# Altium PCB Zotino.PCBDOC (part 6 of 8)
Units mil, origin at the board's own origin, x right, y up, seen from the top; angles counter-clockwise.
Board outline 6303.18 x 3940.98 mil, 4 copper layers (TopLayer, Internal Plane 2, Signal Layer 1, BottomLayer), stack 61.54 mil thick; 716 components, 353 nets, 2092 pads, 748 vias.
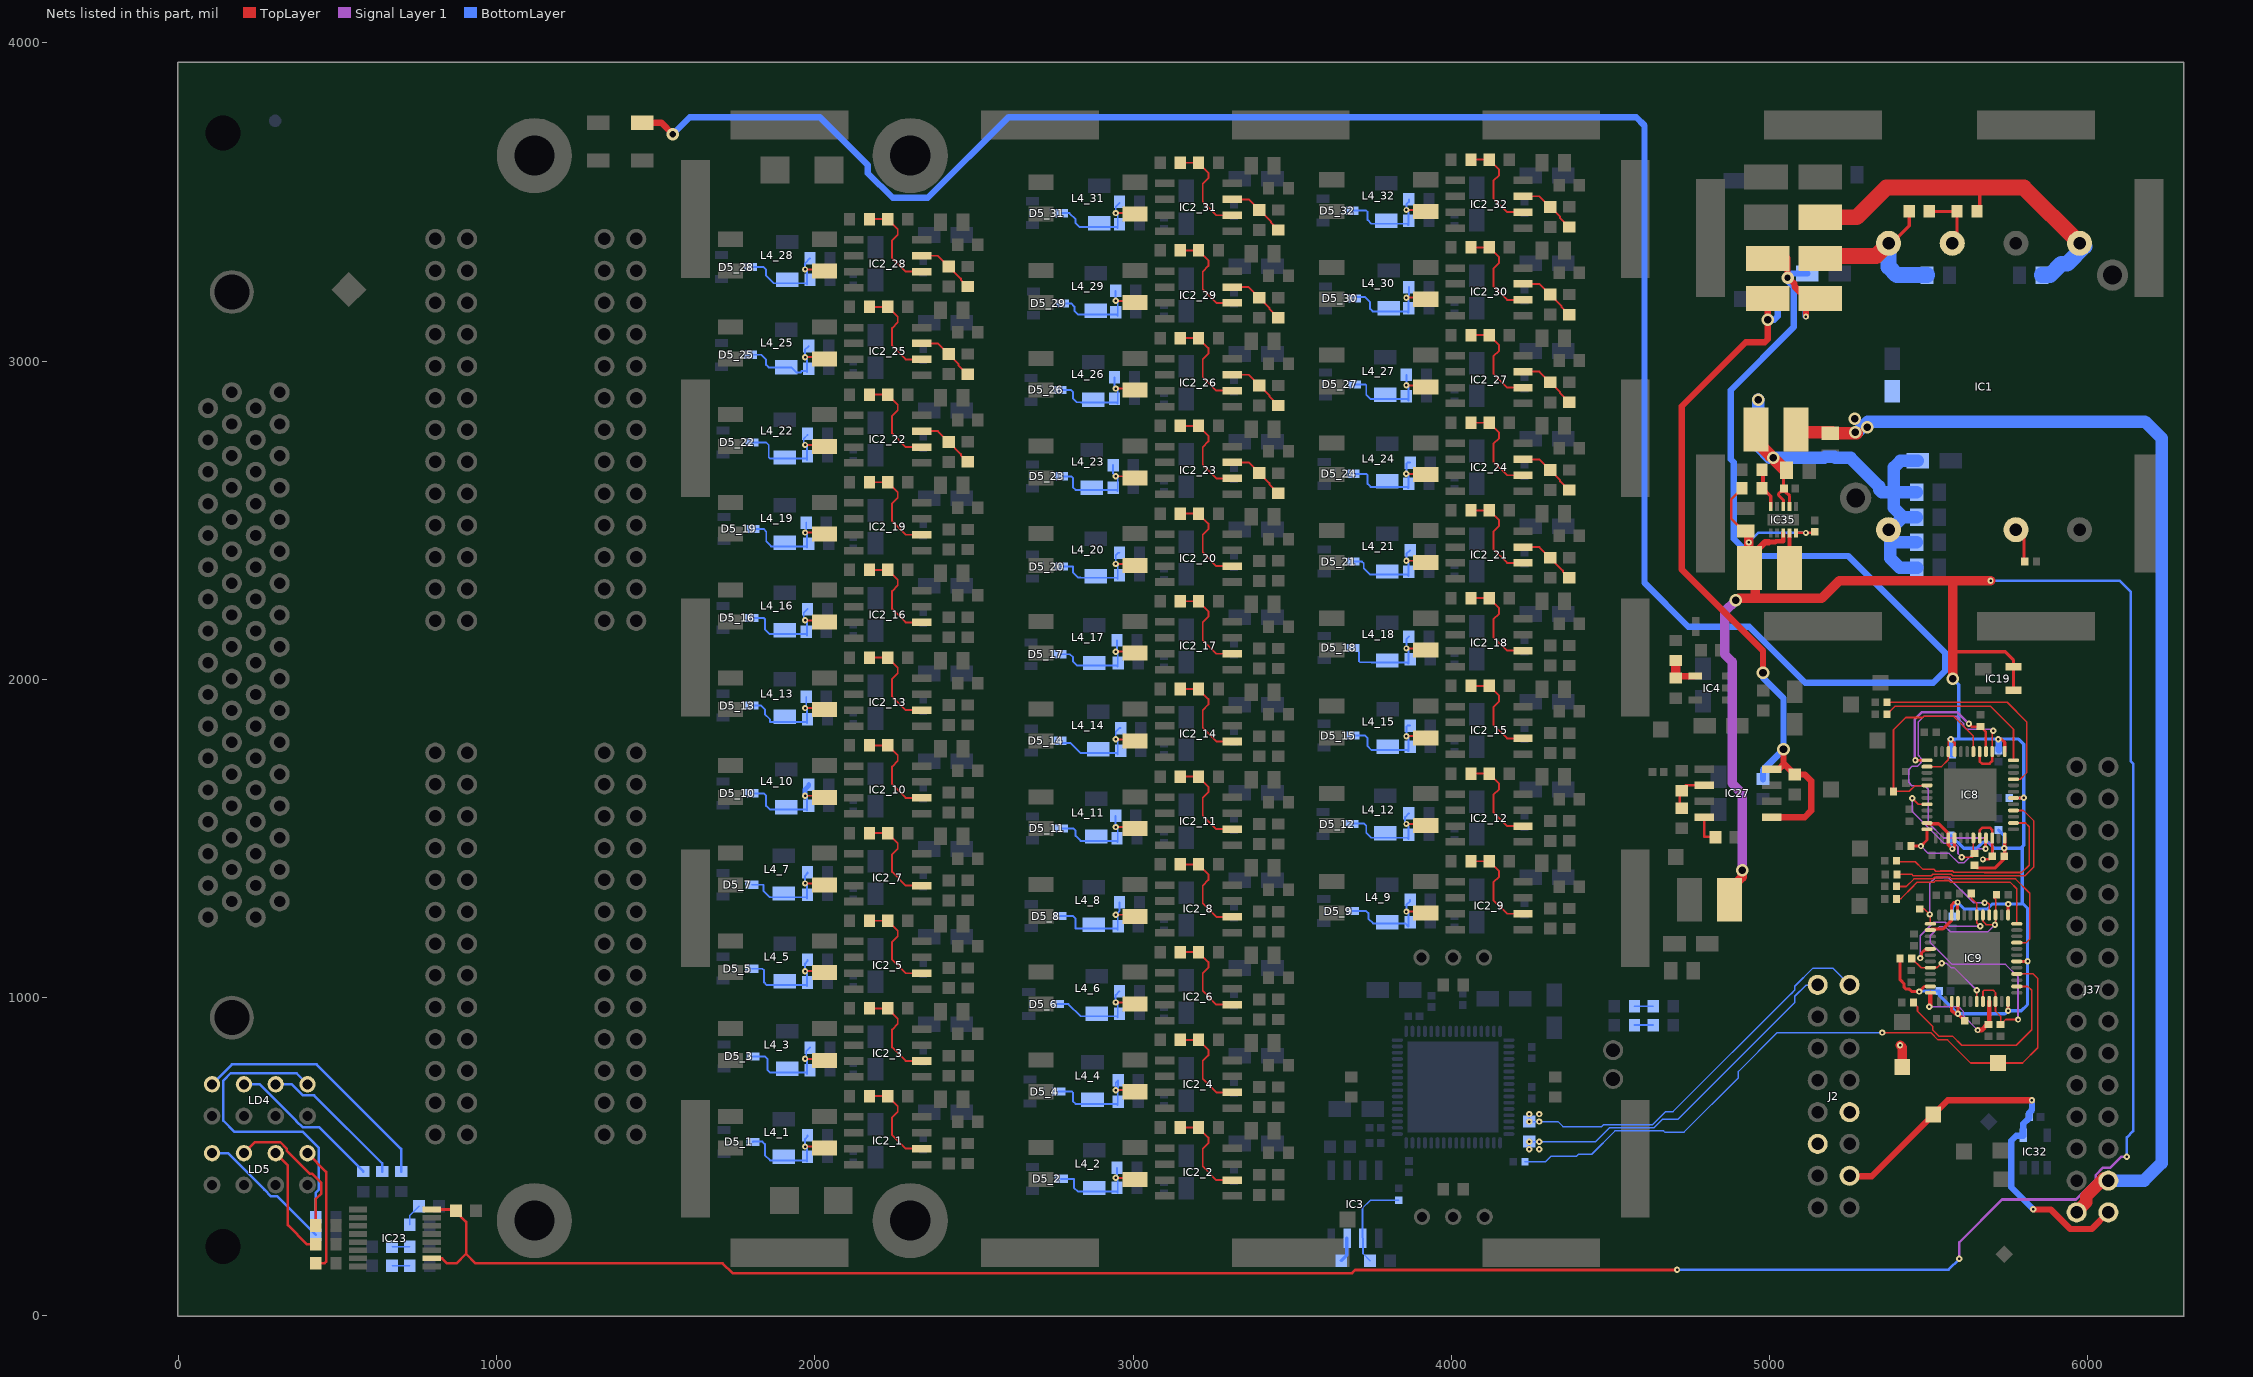
[diagram p8: the nets of this part, all layers, seen from the top]

## Via types
v1: diameter 19.68, hole 7.87, TopLayer to BottomLayer, tented both sides, 647 vias
v2: diameter 23.62, hole 11.81, TopLayer to BottomLayer, tented both sides, 70 vias
v3: diameter 39.37, hole 23.62, TopLayer to BottomLayer, tented both sides, 23 vias
v4: diameter 39.37, hole 19.68, TopLayer to BottomLayer, tented both sides, 8 vias

## Nets (pads, with @x,y where several pads share a name; then routed paths per layer and width w, separated by ;. In a path a pad name is that pad's centre, name@x,y a point inside that pad or via, vN(x,y) a via of type N, cw(c..) or ccw(c..) an arc to the next point about the centre after c; other vN are vias at no path point) (continued)
NetC61_21_2: C61_21.2 IC2_21.3 R25_21.2 | length 186.8
  TopLayer w6: IC2_21.3@4224.67,2415.55 4276.26,2415.55 4350.24,2341.57 4350.24,2338.58 R25_21.2@4369.76,2319.06
NetC61_22_2: C61_22.2 IC2_22.3 R25_22.2 | length 186.8
  TopLayer w6: IC2_22.3@2334.9,2779.72 2386.5,2779.72 C61_22.2@2420,2746.22 2458.5,2707.72 2458.5,2704.72 R25_22.2@2480,2683.23
NetC61_23_2: C61_23.2 IC2_23.3 R25_23.2 | length 186.8
  TopLayer w6: IC2_23.3@3311.28,2681.3 3362.87,2681.3 3427.87,2616.3 3427.87,2613.31 R25_23.2@3456.38,2584.8
NetC61_24_2: C61_24.2 IC2_24.3 R25_24.2 | length 187.5
  TopLayer w6: IC2_24.3@4224.67,2691.14 4276.26,2691.14 4341.26,2626.14 4341.26,2622.05 4342.36,2622.05 R25_24.2@4369.76,2594.65
NetC61_25_2: C61_25.2 IC2_25.3 R25_25.2 | length 187.9
  TopLayer w6: IC2_25.3@2334.9,3055.32 2386.5,3055.32 2451.5,2990.32 2451.5,2985.51 2478.19,2958.82 R25_25.2@2480,2958.82
NetC61_26_2: C61_26.2 IC2_26.3 R25_26.2 | length 186.8
  TopLayer w6: IC2_26.3@3311.28,2956.89 3362.87,2956.89 3427.87,2891.89 3427.87,2888.9 R25_26.2@3456.38,2860.39
NetC61_27_2: C61_27.2 IC2_27.3 R25_27.2 | length 186.8
  TopLayer w6: IC2_27.3@4224.67,2966.73 4276.26,2966.73 4341.26,2901.73 4341.26,2898.74 R25_27.2@4369.76,2870.24
NetC61_28_2: C61_28.2 IC2_28.3 R25_28.2 | length 186.8
  TopLayer w6: IC2_28.3@2334.9,3330.91 2386.5,3330.91 2458.5,3258.9 2458.5,3255.91 R25_28.2@2480,3234.41
NetC61_29_2: C61_29.2 IC2_29.3 R25_29.2 | length 186.8
  TopLayer w6: IC2_29.3@3311.28,3232.48 3362.87,3232.48 3427.87,3167.48 3427.87,3164.49 R25_29.2@3456.38,3135.98
NetC61_30_2: C61_30.2 IC2_30.3 R25_30.2 | length 186.8
  TopLayer w6: IC2_30.3@4224.67,3242.32 4276.26,3242.32 4346.3,3172.28 4346.3,3169.29 R25_30.2@4369.76,3145.83
NetC61_31_2: C61_31.2 IC2_31.3 R25_31.2 | length 186.8
  TopLayer w6: IC2_31.3@3311.28,3508.07 3362.87,3508.07 3433.5,3437.44 3433.5,3434.45 R25_31.2@3456.38,3411.58
NetC61_32_2: C61_32.2 IC2_32.3 R25_32.2 | length 187.5
  TopLayer w6: IC2_32.3@4224.67,3517.91 4276.26,3517.91 4341.26,3452.91 4341.26,3448.82 4342.36,3448.82 R25_32.2@4369.76,3421.42
NetC62_1_2: C62_1.2 D5_1.3 L4_1.1 R5_1.2 R7_1.2 | length 367.2
  TopLayer w6: v1(1968.71,531.8) 2024.35,531.8 L4_1.1@2029.35,526.81
  BottomLayer w6: D5_1.3@1805.12,546.51 1805.67,547.06 1834.83,547.06 1842.52,539.37 1842.52,504.6 1858.68,488.43 1970.97,488.43 1974.9,484.5 1974.9,525.62 v1(1968.71,531.8) 1968.71,555.33 1976.38,562.99 R7_1.2@1976.38,566.93
NetC62_2_2: C62_2.2 D5_2.3 L4_2.1 R5_2.2 R7_2.2 | length 357.5
  TopLayer w6: v1(2945.09,433.38) 3000.73,433.38 L4_2.1@3005.73,428.38
  BottomLayer w6: D5_2.3@2773.62,430.35 2813.75,430.35 2813.75,402.79 2826.46,390.08 2834.99,390.08 2835.06,390.01 2947.34,390.01 2951.28,386.07 2951.28,427.19 v1(2945.09,433.38) 2948.82,437.1 R7_2.2@2948.82,464.57
NetC62_3_2: C62_3.2 D5_3.3 L4_3.1 R5_3.2 R7_3.2 | length 367
  TopLayer w6: v1(1968.71,807.39) 2024.35,807.39 L4_3.1@2029.35,802.4
  BottomLayer w6: D5_3.3@1805.12,814.96 1842.52,814.96 1850.39,807.09 1850.39,772.31 1858.68,764.02 1970.97,764.02 1974.9,760.09 1974.9,801.21 v1(1968.71,807.39) 1972.44,811.12 1972.44,830.71 R5_3.2@1984.25,842.52
NetC62_4_2: C62_4.2 D5_4.3 L4_4.1 R5_4.2 R7_4.2 | length 400.8
  TopLayer w6: v1(2945.09,708.97) 3000.73,708.97 L4_4.1@3005.73,703.97
  BottomLayer w6: D5_4.3@2765.75,704.72 2807.09,704.72 2811.02,700.79 2811.02,673.23 2818.59,665.67 2834.99,665.67 2835.06,665.6 2947.34,665.6 2951.28,661.66 2951.28,702.78 v1(2945.09,708.97) ; v1(2945.09,708.97) 2945.09,732.49 R5_4.2@2952.76,740.16 2952.76,716.63 v1(2945.09,708.97)
NetC62_5_2: C62_5.2 D5_5.3 L4_5.1 R5_5.2 R7_5.2 | length 369.6
  TopLayer w6: v1(1968.71,1082.98) 2024.35,1082.98 L4_5.1@2029.35,1077.99
  BottomLayer w6: D5_5.3@1801.18,1090.55 1834.65,1090.55 1840,1085.2 1840,1047.24 1847.56,1039.68 1866.07,1039.68 1866.14,1039.61 1970.97,1039.61 1974.9,1035.68 1974.9,1076.8 v1(1968.71,1082.98) 1968.71,1106.51 1976.38,1114.17 R5_5.2@1976.38,1118.11
NetC62_6_2: C62_6.2 D5_6.3 L4_6.1 R5_6.2 R7_6.2 | length 359.1
  TopLayer w6: v1(2945.09,984.56) 3000.73,984.56 L4_6.1@3005.73,979.56
  BottomLayer w6: D5_6.3@2762.43,979.56 2796.03,979.56 2834.4,941.19 2947.34,941.19 2951.28,937.25 2951.28,978.37 v1(2945.09,984.56) 2944.88,984.77 2944.88,1007.87 R5_6.2@2956.69,1019.69
NetC62_7_2: C62_7.2 D5_7.3 L4_7.1 R5_7.2 R7_7.2 | length 354
  TopLayer w6: v1(1968.71,1358.58) 2024.35,1358.58 L4_7.1@2029.35,1353.58
  BottomLayer w6: D5_7.3@1801.18,1354.33 1838.58,1354.33 1838.58,1334.65 1857.96,1315.27 1858.62,1315.27 1858.68,1315.21 1970.97,1315.21 1974.9,1311.27 1974.9,1352.39 v1(1968.71,1358.58) 1968.71,1382.1 1976.38,1389.76 R5_7.2@1976.38,1393.7
NetC62_8_2: C62_8.2 D5_8.3 L4_8.1 R5_8.2 R7_8.2 | length 373.9
  TopLayer w6: v1(2945.09,1260.15) 3000.73,1260.15 L4_8.1@3005.73,1255.15
  BottomLayer w6: D5_8.3@2769.88,1255.91 2811.02,1255.91 2818.9,1248.03 2818.9,1216.85 2834.99,1216.85 2835.06,1216.78 2947.34,1216.78 2951.28,1212.84 2951.28,1253.96 v1(2945.09,1260.15) 2956.69,1271.75 R5_8.2@2956.69,1299.21
NetC62_9_2: C62_9.2 D5_9.3 L4_9.1 R5_9.2 R7_9.2 | length 360.3
  TopLayer w6: v1(3858.48,1269.99) 3914.12,1269.99 L4_9.1@3919.12,1264.99
  BottomLayer w6: D5_9.3@3689.17,1271.65 3732.28,1271.65 3738.84,1265.1 3738.84,1248.03 3754.03,1232.84 3854.51,1232.84 3864.67,1222.69 3864.67,1263.8 v1(3858.48,1269.99) 3858.48,1291.55 3870.08,1303.15 R5_9.2@3870.08,1307.15
NetC62_10_2: C62_10.2 D5_10.3 L4_10.1 R5_10.2 R7_10.2 | length 367.4
  TopLayer w6: v1(1968.71,1634.17) 2024.35,1634.17 L4_10.1@2029.35,1629.17
  BottomLayer w6: D5_10.3@1801.18,1641.73 1838.58,1641.73 1846.46,1633.86 1846.46,1602.36 1857.96,1590.86 1858.62,1590.86 1858.68,1590.8 1970.97,1590.8 1974.9,1586.86 1974.9,1627.98 v1(1968.71,1634.17)
  BottomLayer w15: v1(1968.71,1634.17) 1968.71,1653.75 1980.31,1665.35 R5_10.2@1980.31,1669.29
NetC62_11_2: C62_11.2 D5_11.3 L4_11.1 R5_11.2 R7_11.2 | length 352.5
  TopLayer w6: v1(2945.09,1535.74) 3000.73,1535.74 L4_11.1@3005.73,1530.74
  BottomLayer w6: D5_11.3@2773.62,1531.5 2811.02,1531.5 2818.9,1523.62 2818.9,1507.87 2834.33,1492.44 2834.99,1492.44 2835.06,1492.37 2947.34,1492.37 2951.28,1488.43 2951.28,1529.55 v1(2945.09,1535.74) 2944.88,1535.95 R5_11.2@2944.88,1570.87
NetC62_12_2: C62_12.2 D5_12.3 L4_12.1 R5_12.2 R7_12.2 | length 360.4
  TopLayer w6: v1(3858.48,1545.58) 3914.12,1545.58 L4_12.1@3919.12,1540.58
  BottomLayer w6: D5_12.3@3689.17,1547.24 3724.41,1547.24 3732.28,1539.37 3732.28,1518.38 3748.45,1502.21 3860.73,1502.21 3864.67,1498.28 3864.67,1539.39 v1(3858.48,1545.58) 3854.33,1549.73 3854.33,1566.93 R5_12.2@3866.14,1578.74
NetC62_13_2: C62_13.2 D5_13.3 L4_13.1 R5_13.2 R7_13.2 | length 359.3
  TopLayer w6: v1(1968.71,1909.76) 2024.35,1909.76 L4_13.1@2029.35,1904.76
  BottomLayer w6: D5_13.3@1801.18,1917.32 1830.9,1917.32 1842.52,1905.7 1842.52,1889.76 1858.62,1873.67 1858.62,1866.45 1858.68,1866.39 1970.97,1866.39 1974.9,1862.45 1974.9,1903.57 v1(1968.71,1909.76) 1972.44,1913.48 R5_13.2@1972.44,1944.88
NetC62_14_2: C62_14.2 D5_14.3 L4_14.1 R5_14.2 R7_14.2 | length 355.7
  TopLayer w6: v1(2945.09,1811.33) 3000.73,1811.33 L4_14.1@3005.73,1806.33
  BottomLayer w6: D5_14.3@2769.88,1807.09 2777.51,1799.46 2802.91,1799.46 2834.4,1767.96 2947.34,1767.96 2951.28,1764.02 2951.28,1805.14 v1(2945.09,1811.33) 2945.09,1834.86 2956.69,1846.46 R5_14.2@2960.63,1846.46
NetC62_15_2: C62_15.2 D5_15.3 L4_15.1 R5_15.2 R7_15.2 | length 364.5
  TopLayer w6: v1(3858.48,1821.17) 3914.12,1821.17 L4_15.1@3919.12,1816.17
  BottomLayer w6: D5_15.3@3690.21,1822.83 3728.35,1822.83 3736.22,1814.96 3736.22,1790.03 3748.45,1777.8 3860.73,1777.8 3864.67,1773.87 3864.67,1814.98 v1(3858.48,1821.17) 3858.48,1850.6 3862.2,1854.33 R5_15.2@3870.08,1854.33
NetC62_16_2: C62_16.2 D5_16.3 L4_16.1 R5_16.2 R7_16.2 | length 369.2
  TopLayer w6: v1(1968.71,2185.35) 2024.35,2185.35 L4_16.1@2029.35,2180.35
  BottomLayer w6: D5_16.3@1801.18,2192.91 1838.58,2192.91 1842.52,2188.98 1842.52,2157.48 1857.96,2142.04 1862.14,2142.04 1862.2,2141.98 1970.97,2141.98 1974.9,2138.04 1974.9,2179.16 v1(1968.71,2185.35) 1964.57,2189.49 1964.57,2208.66 R5_16.2@1976.38,2220.47
NetC62_17_2: C62_17.2 D5_17.3 L4_17.1 R5_17.2 R7_17.2 | length 355.1
  TopLayer w6: v1(2945.09,2086.92) 3000.73,2086.92 L4_17.1@3005.73,2081.92
  BottomLayer w6: D5_17.3@2769.69,2078.74 2801.18,2078.74 2811.02,2068.9 2811.02,2055.12 2822.52,2043.62 2834.99,2043.62 2835.06,2043.55 2947.34,2043.55 2951.28,2039.62 2951.28,2080.73 v1(2945.09,2086.92) 2948.82,2090.65 R5_17.2@2948.82,2122.05
NetC62_18_2: C62_18.2 D5_18.3 L4_18.1 R5_18.2 R7_18.2 | length 339.3
  TopLayer w6: v1(3858.48,2096.76) 3914.12,2096.76 L4_18.1@3919.12,2091.77
  BottomLayer w6: 3709.16,2084.89 3709.16,2057.09 3712.78,2053.46 3748.38,2053.46 3748.45,2053.39 3860.73,2053.39 3864.67,2049.46 3864.67,2090.58 v1(3858.48,2096.76) 3858.48,2126.19 R7_18.2@3866.14,2133.86
NetC62_19_2: C62_19.2 D5_19.3 L4_19.1 R5_19.2 R7_19.2 | length 357.8
  TopLayer w6: v1(1968.71,2460.94) 2024.35,2460.94 L4_19.1@2029.35,2455.94
  BottomLayer w6: D5_19.3@1805.12,2472.44 1838.58,2472.44 1846.7,2464.32 1846.7,2433.07 1862.2,2417.57 1970.97,2417.57 1974.9,2413.63 1974.9,2454.75 v1(1968.71,2460.94) 1972.44,2464.66 R7_19.2@1972.44,2492.13
NetC62_20_2: C62_20.2 D5_20.3 L4_20.1 R5_20.2 R7_20.2 | length 360.2
  TopLayer w6: v1(2945.09,2362.51) 3000.73,2362.51 L4_20.1@3005.73,2357.51
  BottomLayer w6: D5_20.3@2773.62,2354.33 2811.02,2354.33 2811.02,2334.65 2826.46,2319.21 2834.99,2319.21 2835.06,2319.14 2947.34,2319.14 2951.28,2315.21 2951.28,2356.32 v1(2945.09,2362.51) 2945.09,2389.97 2952.76,2397.64 R5_20.2@2956.69,2397.64
NetC62_21_2: C62_21.2 D5_21.3 L4_21.1 R5_21.2 R7_21.2 | length 352.1
  TopLayer w6: v1(3858.48,2372.35) 3914.12,2372.35 L4_21.1@3919.12,2367.36
  BottomLayer w6: D5_21.3@3690.94,2370.08 3718.5,2370.08 3724.41,2364.17 3724.41,2348.74 3744.09,2329.05 3748.38,2329.05 3748.45,2328.98 3860.73,2328.98 3864.67,2325.05 3864.67,2366.17 v1(3858.48,2372.35) 3858.27,2372.56 3858.27,2393.7 R5_21.2@3870.08,2405.51
NetC62_22_2: C62_22.2 D5_22.3 L4_22.1 R5_22.2 R7_22.2 | length 369.5
  TopLayer w6: v1(1968.71,2736.53) 2024.35,2736.53 L4_22.1@2029.35,2731.53
  BottomLayer w5: D5_22.3@1801.18,2744.09 1846.46,2744.09 1854.33,2736.22 1854.33,2697.51 1858.62,2693.23 ; v1(1968.71,2736.53) 1964.57,2740.68 1964.57,2755.91 R5_22.2@1976.38,2767.72
  BottomLayer w6: 1858.62,2693.23 1858.68,2693.16 1970.97,2693.16 1974.9,2689.22 1974.9,2730.34 v1(1968.71,2736.53)
NetC62_23_2: C62_23.2 D5_23.3 L4_23.1 R5_23.2 R7_23.2 | length 365.5
  TopLayer w6: v1(2945.09,2638.1) 3000.73,2638.1 L4_23.1@3005.73,2633.1
  BottomLayer w6: D5_23.3@2773.62,2637.8 2805.12,2637.8 2811.02,2631.89 2811.02,2602.36 2818.59,2594.8 2834.99,2594.8 2835.06,2594.73 2947.34,2594.73 2951.28,2590.8 2951.28,2631.91 v1(2945.09,2638.1) 2937.01,2646.19 R5_23.2@2937.01,2673.23
NetC62_24_2: C62_24.2 D5_24.3 L4_24.1 R5_24.2 R7_24.2 | length 366.5
  TopLayer w6: v1(3858.26,2645.66) 3911.84,2645.66 3914.12,2647.94 L4_24.1@3919.12,2642.95
  BottomLayer w6: D5_24.3@3690.94,2645.67 3732.28,2645.67 3736.22,2641.73 3736.22,2614.17 3745.82,2604.57 3860.73,2604.57 3864.67,2600.64 3864.67,2641.76 3860.76,2645.66 v1(3858.26,2645.66) 3858.26,2677.16 3862.2,2681.1 R5_24.2@3870.08,2681.1
NetC62_25_2: C62_25.2 D5_25.3 L4_25.1 R5_25.2 R7_25.2 | length 364
  TopLayer w6: v1(1968.71,3012.12) 2024.35,3012.12 L4_25.1@2029.35,3007.12
  BottomLayer w6: D5_25.3@1797.24,3019.68 1830.71,3019.68 1846.46,3003.94 1846.46,2988.19 1854.33,2980.32 C62_25.2@1909.45,2980.32 1925.44,2980.32 1941.19,2964.57 1956.69,2964.57 ; 1956.69,2968.75 1970.97,2968.75 1974.9,2964.81 1974.9,3005.93 v1(1968.71,3012.12) 1968.5,3012.33 1968.5,3035.43 R5_25.2@1980.31,3047.24
NetC62_26_2: C62_26.2 D5_26.3 L4_26.1 R5_26.2 R7_26.2 | length 360.4
  TopLayer w6: v1(2945.09,2913.69) 3000.73,2913.69 L4_26.1@3005.73,2908.69
  BottomLayer w6: D5_26.3@2769.69,2909.45 2803.15,2909.45 2811.02,2901.57 2811.02,2881.89 2822.52,2870.39 2834.99,2870.39 2835.06,2870.32 2947.34,2870.32 2951.28,2866.39 2951.28,2907.5 v1(2945.09,2913.69) 2940.94,2917.84 R5_26.2@2940.94,2948.82
NetC62_27_2: C62_27.2 D5_27.3 L4_27.1 R5_27.2 R7_27.2 | length 353.8
  TopLayer w6: v1(3858.48,2923.54) 3914.12,2923.54 L4_27.1@3919.12,2918.54
  BottomLayer w6: D5_27.3@3694.88,2926.61 3728.91,2926.61 3732.28,2923.23 3732.28,2893.7 3745.75,2880.23 3748.38,2880.23 3748.45,2880.17 3860.73,2880.17 3864.67,2876.23 3864.67,2917.35 v1(3858.48,2923.54) 3858.27,2923.75 R5_27.2@3858.27,2956.69
NetC62_28_2: C62_28.2 D5_28.3 L4_28.1 R5_28.2 R7_28.2 | length 365.9
  TopLayer w6: v1(1968.71,3287.71) 2024.35,3287.71 L4_28.1@2029.35,3282.71
  BottomLayer w6: D5_28.3@1797.24,3295.28 1838.58,3295.28 1846.46,3287.4 1846.46,3267.96 1870.08,3244.34 1970.97,3244.34 1974.9,3240.4 1974.9,3281.52 v1(1968.71,3287.71) 1968.71,3307.3 R5_28.2@1984.25,3322.83
NetC62_29_2: C62_29.2 D5_29.3 L4_29.1 R5_29.2 R7_29.2 | length 341.9
  TopLayer w6: v1(2945.09,3189.28) 3000.73,3189.28 L4_29.1@3005.73,3184.28
  BottomLayer w6: D5_29.3@2777.56,3181.1 2805.12,3181.1 2814.96,3171.26 2814.96,3157.48 2826.46,3145.98 2834.99,3145.98 2835.06,3145.91 2947.34,3145.91 2951.28,3141.98 2951.28,3183.1 v1(2945.09,3189.28) 2944.88,3189.49 R5_29.2@2944.88,3220.47
NetC62_30_2: C62_30.2 D5_30.3 L4_30.1 R5_30.2 R7_30.2 | length 351.5
  TopLayer w6: v1(3858.48,3199.13) 3914.12,3199.13 L4_30.1@3919.12,3194.13
  BottomLayer w6: D5_30.3@3694.88,3200.79 3728.35,3200.79 3744.09,3185.04 3744.09,3163.63 3751.97,3155.76 3860.73,3155.76 3864.67,3151.82 3864.67,3192.94 v1(3858.48,3199.13) 3866.14,3206.79 R5_30.2@3866.14,3232.28
NetC62_31_2: C62_31.2 D5_31.3 L4_31.1 R5_31.2 R7_31.2 | length 352.4
  TopLayer w6: v1(2945.09,3464.87) 3000.73,3464.87 L4_31.1@3005.73,3459.87
  BottomLayer w6: D5_31.3@2773.82,3464.57 2799.21,3464.57 2818.9,3444.88 2818.9,3433.07 2830.4,3421.57 2834.99,3421.57 2835.06,3421.5 2947.34,3421.5 2951.28,3417.57 2951.28,3458.69 v1(2945.09,3464.87) 2945.09,3484.46 R5_31.2@2956.69,3496.06
NetC62_32_2: C62_32.2 D5_32.3 L4_32.1 R5_32.2 R7_32.2 | length 359.8
  TopLayer w6: v1(3858.48,3474.72) 3914.12,3474.72 L4_32.1@3919.12,3469.72
  BottomLayer w6: D5_32.3@3687.01,3472.44 3732.28,3472.44 3736.22,3468.5 3736.22,3443.57 3748.45,3431.35 3860.73,3431.35 3864.67,3427.41 3864.67,3468.53 v1(3858.48,3474.72) 3858.48,3492.34 3866.14,3500 R5_32.2@3866.14,3507.87
NetC63_2: C63.2 C133.2 C134.1 IC27.5 IC27.8 L7.2 | length 2332.4
  TopLayer w20: v3(4978.84,2019.89) 4978.84,2089.89 4723.84,2344.89 4723.84,2857.7 4925.2,3059.06 4984.25,3059.06 4993.84,3068.64 v3@4993.84,3127.7 ; v3(4993.84,3129.89) v3@4993.84,3127.7 ; L7.2@4993.84,3196.9 v3@4993.84,3127.7 ; IC27.5@5006.4,1566.98 5110.28,1566.98 5129.92,1586.61 5129.92,1681.1 5110.24,1700.79 C133.2@5078.74,1700.79 5047.24,1732.28 5043.31,1732.28 ; IC27.8@5006.4,1716.98 5028,1716.98 5043.31,1732.28 ; v3(5043.31,1779.53) 5043.31,1732.28
  BottomLayer w20: C63.2@4978.84,1686.27 4978.84,1715.06 v3(5043.31,1779.53) 5043.31,1940.78 4978.84,2005.24 v3(4978.84,2019.89) ; v3(4993.84,3129.89) 5013.84,3129.89 5025.02,3141.07 C134.1@5025.02,3194.89
NetC64_1: C64.1 IC27.4 | length 96.1
  TopLayer w7.87: IC27.4@4793.8,1566.98 4793.8,1504.69 4824.63,1504.69 C64.1@4826.71,1506.78
NetC68_2: C68.2 R117.1 | length 59.1
  BottomLayer w6: R117.1@4574.8,972.57 C68.2@4633.86,972.57
NetC71_2: C71.2 R118.1 | length 55.1
  BottomLayer w5: C71.2@671.26,216.54 R118.1@726.38,216.54
NetC76_2: C76.2 R82.1 | length 55.1
  BottomLayer w5: C76.2@671.26,157.48 R82.1@726.38,157.48
NetC77_2: C77.2 R58.1 | length 71.3
  BottomLayer w5: R58.1@726.38,285.43 726.38,314.96 C77.2@755.91,344.49
NetC80_2: C80.2 IC3.2 R3.2 | length 299.6
  BottomLayer w5: C80.2@3744.09,173.23 3721.85,195.47 IC3.2@3721.85,244.09 3720.47,245.47 3720.47,338.58 3745.28,363.39 R3.2@3834.65,363.39
NetC82_2: C82.2 IC3.3 | length 78.4
  BottomLayer w10: C82.2@3653.54,173.23 3671.1,190.79 3671.1,243.35 IC3.3@3671.85,244.09
NetC95_2: C95.2 R116.1 | length 59.1
  BottomLayer w6: R116.1@4574.8,913.39 C95.2@4633.86,913.39
NetC130_2: C130.2 IC1.7 L6.1 R1.2 | length 577.2
  TopLayer w10: IC1.7@5373.73,3370 5378.84,3364.89 5438.5,3424.55 R1.2@5438.5,3470
  TopLayer w50: L6.1@5158.84,3322.88 5165.85,3329.89 5333.43,3329.89 IC1.7@5373.54,3370
  BottomLayer w50: IC1.7@5373.54,3370 5373.54,3295.75 5399.29,3270 C130.2@5494.57,3270
NetC131_2: C131.2 C132.1 F1.2 L6.2 L7.1 | length 8065.3
  TopLayer w20: F1.2@1457.19,3748.28 1517.76,3748.28 v4(1553.15,3712.89) ; v4(5055.95,3262) L7.1@5055.95,3322.88 ; v4@5068.95,3251.27 5077.74,3242.48 5077.74,3234.26 5115.1,3196.9 L6.2@5158.84,3196.9 ; v1(5113.84,3139.89) L6.2@5113.84,3179.89
  BottomLayer w20: v4(1553.15,3712.89) 1606.49,3766.23 2015.86,3766.23 2166.1,3615.99 2166.1,3590.53 2244.08,3512.56 2354.35,3512.56 2608.02,3766.23 4580.23,3766.23 4606.3,3740.16 4606.3,2303.15 4744.09,2165.35 4935.88,2165.35 5112.06,1989.17 5513.38,1989.17 5551.18,2026.97 5551.18,2082.6 5246.38,2387.4 4941.2,2387.4 4887.2,2441.39 4887.2,2681.66 4877.16,2691.71 4877.16,2908.65 5075.45,3106.95 5075.45,3232.32 5059.06,3248.72 5059.06,3265.1 5068.84,3274.89 C132.1@5117.66,3274.89 ; C131.2@5113.41,3189.89 5113.41,3140.32 v1(5113.84,3139.89)
NetC136_1: C136.1 C137.2 C138.2 C139.2 C140.2 C150.2 C151.2 IC1.1 IC35.2 IC35.3 L8.1 | length 1615
  TopLayer w10: IC35.3@5042.81,2542.57 5042.81,2563.48 5027.56,2578.74 5027.56,2582.43 5035.02,2589.89 C150.2@5042.81,2589.89 ; C151.2@5042.81,2658.86 C150.2@5042.81,2589.89 ; IC35.2@5062.5,2542.57 5062.5,2576.23 5048.84,2589.89 C150.2@5042.81,2589.89
  TopLayer w39.37: L8.1@4973.84,2749.89 4973.84,2731.62 v3@5002.38,2703.08 ; v3@5018.29,2687.17 C151.2@5046.75,2658.71
  BottomLayer w39.37: v3(4964.57,2877.95) 4964.57,2732.28 5000.9,2695.95 v3(5011.32,2695.95) 5171.07,2695.95 5174.54,2699.42 5203.14,2699.42 5206.61,2695.95 5254.05,2695.95 5343.9,2606.1 5343.9,2596.1 5351.77,2588.23 5390,2588.23 ; 5384.7,2430.75 C140.2@5461.82,2430.75 ; 5423.44,2509.49 C139.2@5461.82,2509.49 ; C138.2@5461.82,2588.23 5390,2588.23 ; C137.2@5463.84,2349.89 5408.84,2349.89 5378.84,2379.89 5378.84,2469.09 5419.24,2509.49 5390,2538.73 5390,2588.23 ; C136.1@5465.76,2686.65 5410.6,2686.65 5390,2666.05 5390,2588.23
NetC141_2: C141.2 IC1.4 L9.1 R4.1 | length 1175.3
  TopLayer w10: R4.1@5651.5,3470 5660,3478.5 5660,3545.05
  TopLayer w50: L9.1@5158.84,3451.9 5272.99,3451.9 5366.14,3545.05 5660,3545.05 5798.68,3545.05 IC1.4@5973.84,3369.89
  BottomLayer w50: C141.2@5855.43,3270 5880.69,3270 5916.51,3305.82 5934.77,3305.82 IC1.4@5988.84,3359.89
NetIC1_2: IC1.2 R2.2 | length 110.3
  TopLayer w10: IC1.2@5773.54,2470 5798.5,2445.04 R2.2@5798.5,2370
NetIC1_6: IC1.6 R1.1 R4.2 | length 193.2
  TopLayer w10: R1.1@5501.5,3470 R4.2@5588.5,3470 5588.5,3384.96 IC1.6@5573.54,3370
NetIC2_1_2: IC2_1.2 R67_1.1 R68_1.2 | length 310.1
  TopLayer w6: R67_1.1@2171.5,690 R68_1.2@2228.5,690 2260,658.5 2260,641.25 2242.16,623.41 2242.16,567.84 2285,525 IC2_1.2@2334.9,525
NetIC2_2_2: IC2_2.2 R67_2.1 R68_2.2 | length 310.1
  TopLayer w6: R67_2.1@3147.87,591.57 R68_2.2@3204.88,591.57 3236.38,560.08 3236.38,542.83 3218.54,524.98 3218.54,469.42 3261.38,426.57 IC2_2.2@3311.28,426.57
NetIC2_3_2: IC2_3.2 R67_3.1 R68_3.2 | length 310.1
  TopLayer w6: R67_3.1@2171.5,965.59 R68_3.2@2228.5,965.59 2260,934.09 2260,916.84 2242.16,899 2242.16,843.43 2285,800.59 IC2_3.2@2334.9,800.59
NetIC2_4_2: IC2_4.2 R67_4.1 R68_4.2 | length 310.1
  TopLayer w6: R67_4.1@3147.87,867.17 R68_4.2@3204.88,867.17 3236.38,835.67 3236.38,818.42 3218.54,800.57 3218.54,745.01 3261.38,702.17 IC2_4.2@3311.28,702.17
NetIC2_5_2: IC2_5.2 R67_5.1 R68_5.2 | length 310.1
  TopLayer w6: R67_5.1@2171.5,1241.18 R68_5.2@2228.5,1241.18 2260,1209.69 2260,1192.43 2242.16,1174.59 2242.16,1119.02 2285,1076.18 IC2_5.2@2334.9,1076.18
NetIC2_6_2: IC2_6.2 R67_6.1 R68_6.2 | length 310.1
  TopLayer w6: R67_6.1@3147.87,1142.76 R68_6.2@3204.88,1142.76 3236.38,1111.26 3236.38,1094.01 3218.54,1076.16 3218.54,1020.6 3261.38,977.76 IC2_6.2@3311.28,977.76
NetIC2_7_2: IC2_7.2 R67_7.1 R68_7.2 | length 310.1
  TopLayer w6: R67_7.1@2171.5,1516.77 R68_7.2@2228.5,1516.77 2260,1485.28 2260,1468.02 2242.16,1450.18 2242.16,1394.61 2285,1351.77 IC2_7.2@2334.9,1351.77
NetIC2_8_2: IC2_8.2 R67_8.1 R68_8.2 | length 310.1
  TopLayer w6: R67_8.1@3147.87,1418.35 R68_8.2@3204.88,1418.35 3236.38,1386.85 3236.38,1369.6 3218.54,1351.76 3218.54,1296.19 3261.38,1253.35 IC2_8.2@3311.28,1253.35
NetIC2_9_2: IC2_9.2 R67_9.1 R68_9.2 | length 310.1
  TopLayer w6: R67_9.1@4061.26,1428.19 R68_9.2@4118.27,1428.19 4149.76,1396.69 4149.76,1379.44 4131.92,1361.6 4131.92,1306.03 4174.76,1263.19 IC2_9.2@4224.67,1263.19
NetIC2_10_2: IC2_10.2 R67_10.1 R68_10.2 | length 310.1
  TopLayer w6: R67_10.1@2171.5,1792.36 R68_10.2@2228.5,1792.36 2260,1760.87 2260,1743.61 2242.16,1725.77 2242.16,1670.2 2285,1627.36 IC2_10.2@2334.9,1627.36
NetIC2_11_2: IC2_11.2 R67_11.1 R68_11.2 | length 310.1
  TopLayer w6: R67_11.1@3147.87,1693.94 R68_11.2@3204.88,1693.94 3236.38,1662.44 3236.38,1645.19 3218.54,1627.35 3218.54,1571.78 3261.38,1528.94 IC2_11.2@3311.28,1528.94
NetIC2_12_2: IC2_12.2 R67_12.1 R68_12.2 | length 310.1
  TopLayer w6: R67_12.1@4061.26,1703.78 R68_12.2@4118.27,1703.78 4149.76,1672.28 4149.76,1655.03 4131.92,1637.19 4131.92,1581.62 4174.76,1538.78 IC2_12.2@4224.67,1538.78
NetIC2_13_2: IC2_13.2 R67_13.1 R68_13.2 | length 310.1
  TopLayer w6: R67_13.1@2171.5,2067.95 R68_13.2@2228.5,2067.95 2260,2036.46 2260,2019.2 2242.16,2001.36 2242.16,1945.8 2285,1902.95 IC2_13.2@2334.9,1902.95
NetIC2_14_2: IC2_14.2 R67_14.1 R68_14.2 | length 310.1
  TopLayer w6: R67_14.1@3147.87,1969.53 R68_14.2@3204.88,1969.53 3236.38,1938.03 3236.38,1920.78 3218.54,1902.94 3218.54,1847.37 3261.38,1804.53 IC2_14.2@3311.28,1804.53
NetIC2_15_2: IC2_15.2 R67_15.1 R68_15.2 | length 310.1
  TopLayer w6: R67_15.1@4061.26,1979.37 R68_15.2@4118.27,1979.37 4149.76,1947.87 4149.76,1930.62 4131.92,1912.78 4131.92,1857.21 4174.76,1814.37 IC2_15.2@4224.67,1814.37
NetIC2_16_2: IC2_16.2 R67_16.1 R68_16.2 | length 310.1
  TopLayer w6: R67_16.1@2171.5,2343.54 R68_16.2@2228.5,2343.54 2260,2312.05 2260,2294.79 2242.16,2276.95 2242.16,2221.39 2285,2178.54 IC2_16.2@2334.9,2178.54
NetIC2_17_2: IC2_17.2 R67_17.1 R68_17.2 | length 310.1
  TopLayer w6: R67_17.1@3147.87,2245.12 R68_17.2@3204.88,2245.12 3236.38,2213.62 3236.38,2196.37 3218.54,2178.53 3218.54,2122.96 3261.38,2080.12 IC2_17.2@3311.28,2080.12
NetIC2_18_2: IC2_18.2 R67_18.1 R68_18.2 | length 310.1
  TopLayer w6: R67_18.1@4061.26,2254.96 R68_18.2@4118.27,2254.96 4149.76,2223.46 4149.76,2206.21 4131.92,2188.37 4131.92,2132.8 4174.76,2089.96 IC2_18.2@4224.67,2089.96
NetIC2_19_2: IC2_19.2 R67_19.1 R68_19.2 | length 310.1
  TopLayer w6: R67_19.1@2171.5,2619.13 R68_19.2@2228.5,2619.13 2260,2587.64 2260,2570.39 2242.16,2552.54 2242.16,2496.98 2285,2454.13 IC2_19.2@2334.9,2454.13
NetIC2_20_2: IC2_20.2 R67_20.1 R68_20.2 | length 310.1
  TopLayer w6: R67_20.1@3147.87,2520.71 R68_20.2@3204.88,2520.71 3236.38,2489.21 3236.38,2471.96 3218.54,2454.12 3218.54,2398.55 3261.38,2355.71 IC2_20.2@3311.28,2355.71
NetIC2_21_2: IC2_21.2 R67_21.1 R68_21.2 | length 310.1
  TopLayer w6: R67_21.1@4061.26,2530.55 R68_21.2@4118.27,2530.55 4149.76,2499.05 4149.76,2481.8 4131.92,2463.96 4131.92,2408.39 4174.76,2365.55 IC2_21.2@4224.67,2365.55
NetIC2_22_2: IC2_22.2 R67_22.1 R68_22.2 | length 310.1
  TopLayer w6: R67_22.1@2171.5,2894.72 R68_22.2@2228.5,2894.72 2260,2863.23 2260,2845.98 2242.16,2828.13 2242.16,2772.57 2285,2729.72 IC2_22.2@2334.9,2729.72
NetIC2_23_2: IC2_23.2 R67_23.1 R68_23.2 | length 310.1
  TopLayer w6: R67_23.1@3147.87,2796.3 R68_23.2@3204.88,2796.3 3236.38,2764.8 3236.38,2747.55 3218.54,2729.71 3218.54,2674.14 3261.38,2631.3 IC2_23.2@3311.28,2631.3
NetIC2_24_2: IC2_24.2 R67_24.1 R68_24.2 | length 310.1
  TopLayer w6: R67_24.1@4061.26,2806.14 R68_24.2@4118.27,2806.14 4149.76,2774.65 4149.76,2757.39 4131.92,2739.55 4131.92,2683.98 4174.76,2641.14 IC2_24.2@4224.67,2641.14
NetIC2_25_2: IC2_25.2 R67_25.1 R68_25.2 | length 310.1
  TopLayer w6: R67_25.1@2171.5,3170.32 R68_25.2@2228.5,3170.32 2260,3138.82 2260,3121.57 2242.16,3103.72 2242.16,3048.16 2285,3005.32 IC2_25.2@2334.9,3005.32
NetIC2_26_2: IC2_26.2 R67_26.1 R68_26.2 | length 310.1
  TopLayer w6: R67_26.1@3147.87,3071.89 R68_26.2@3204.88,3071.89 3236.38,3040.39 3236.38,3023.14 3218.54,3005.3 3218.54,2949.73 3261.38,2906.89 IC2_26.2@3311.28,2906.89
NetIC2_27_2: IC2_27.2 R67_27.1 R68_27.2 | length 310.1
  TopLayer w6: R67_27.1@4061.26,3081.73 R68_27.2@4118.27,3081.73 4149.76,3050.24 4149.76,3032.98 4131.92,3015.14 4131.92,2959.57 4174.76,2916.73 IC2_27.2@4224.67,2916.73
NetIC2_28_2: IC2_28.2 R67_28.1 R68_28.2 | length 310.1
  TopLayer w6: R67_28.1@2171.5,3445.91 R68_28.2@2228.5,3445.91 2260,3414.41 2260,3397.16 2242.16,3379.31 2242.16,3323.75 2285,3280.91 IC2_28.2@2334.9,3280.91
NetIC2_29_2: IC2_29.2 R67_29.1 R68_29.2 | length 310.1
  TopLayer w6: R67_29.1@3147.87,3347.48 R68_29.2@3204.88,3347.48 3236.38,3315.98 3236.38,3298.73 3218.54,3280.89 3218.54,3225.32 3261.38,3182.48 IC2_29.2@3311.28,3182.48
NetIC2_30_2: IC2_30.2 R67_30.1 R68_30.2 | length 310.1
  TopLayer w6: R67_30.1@4061.26,3357.32 R68_30.2@4118.27,3357.32 4149.76,3325.83 4149.76,3308.57 4131.92,3290.73 4131.92,3235.16 4174.76,3192.32 IC2_30.2@4224.67,3192.32
NetIC2_31_2: IC2_31.2 R67_31.1 R68_31.2 | length 310.1
  TopLayer w6: R67_31.1@3147.87,3623.07 R68_31.2@3204.88,3623.07 3236.38,3591.57 3236.38,3574.32 3218.54,3556.48 3218.54,3500.91 3261.38,3458.07 IC2_31.2@3311.28,3458.07
NetIC2_32_2: IC2_32.2 R67_32.1 R68_32.2 | length 310.1
  TopLayer w6: R67_32.1@4061.26,3632.91 R68_32.2@4118.27,3632.91 4149.76,3601.42 4149.76,3584.16 4131.92,3566.32 4131.92,3510.76 4174.76,3467.91 IC2_32.2@4224.67,3467.91
NetIC4_4: IC4.4 R69.1 R70.2 | length 104.8
  TopLayer w20: R69.1@4713.84,2009.89 IC4.4@4763.84,2009.89
  TopLayer w30: R69.1@4704.73,2004.26 R70.2@4704.73,2059.06
NetIC8_1: IC8.1 IC8.40 R16.2 | length 486.8
  TopLayer w8: v1(5457.9,1745.29) IC8.1@5494.32,1745.29 ; v1(5626.15,1859.89) 5634.75,1851.29 R16.2@5662.46,1851.29 5679.36,1834.39 IC8.40@5679.36,1772.85
  Signal Layer 1 w8: v1(5457.9,1745.29) 5455.26,1747.93 5455.26,1873.27 5478.88,1896.89 5589.15,1896.89 v1(5626.15,1859.89)
NetIC8_5: IC8.5 IC8.42 R17.2 | length 649.5
  TopLayer w5: IC8.5@5494.32,1666.55 5493.66,1665.89 5456.5,1665.89 5438.4,1647.8 R17.2@5388.97,1647.8 5388.97,1841.71 5427.15,1879.89 5480.72,1879.89 5484.44,1883.61 5577.43,1883.61 5639.99,1821.05 IC8.42@5639.99,1772.85
NetIC8_8: IC8.8 IC8.19 R18.2 | length 417.6
  TopLayer w5: v1(5448.15,1625.89) 5466.54,1607.5 IC8.8@5494.32,1607.5 ; v1(5603.15,1440.89) 5637.05,1440.89 5639.99,1443.83 IC8.19@5639.99,1501.2
  Signal Layer 1 w5: v1(5448.15,1625.89) 5448.15,1584.75 5548.66,1484.23 5581.33,1484.23 5591.49,1474.07 5591.49,1452.55 v1(5603.15,1440.89)
NetIC8_12: IC8.12 IC8.21 R19.2 | length 371.5
  TopLayer w10: R19.2@5443.97,1475.8 v1(5475.05,1475.8) 5494.32,1495.06 IC8.12@5494.32,1528.76 ; v1(5678.15,1467.89) 5678.15,1497.98 5677.15,1498.98 IC8.21@5679.36,1501.2
  Signal Layer 1 w5: v1(5475.05,1475.8) 5497.96,1452.89 5563.62,1452.89 5592.96,1423.55 5610.33,1423.55 5654.67,1467.89 v1(5678.15,1467.89)
  Signal Layer 1 w10: v1@5678.15,1466.17 v1(5678.15,1467.89)
NetIC8_20: IC8.20 IC8.22 IC8.39 IC8.41 R6.1 | length 1318
  TopLayer w5: IC8.39@5699.05,1772.85 5699.05,1837.79 5699.15,1837.89 v1(5702.15,1837.89)
  TopLayer w8: IC8.20@5659.68,1501.2 5659.68,1525.42 5668.15,1533.89 5692.15,1533.89 5699.05,1526.99 IC8.22@5699.05,1501.2 5699.05,1444.49 5688.45,1433.89 v1(5670.15,1433.89) ; IC8.41@5659.68,1772.85 5659.68,1742.36 5667.15,1734.89 5691.15,1734.89 5699.05,1742.79 IC8.39@5699.05,1772.85
  Signal Layer 1 w5: v1(5670.15,1433.89) 5685.15,1433.89 5702.15,1450.89 5702.15,1471.95 5672.9,1501.2 5545.84,1501.2 5498.15,1548.89 5498.15,1654.48 5486.74,1665.89 5446.69,1665.89 5436.53,1676.05 5436.53,1716.1 5446.69,1726.26 5463.4,1726.26 5475.25,1738.11 5475.25,1752.47 5466.76,1760.96 5466.76,1865.94 5478.43,1877.61 5484.44,1883.61 5586.16,1883.61 5608.81,1860.97 5608.81,1852.71 5618.96,1842.55 5697.49,1842.55 v1(5702.15,1837.89)
NetIC8_26: IC8.26 R97.2 | length 615.6
  TopLayer w5: R97.2@5398.65,1426.89 5457.15,1426.89 5480.37,1403.67 5515.62,1403.67 5522.06,1397.23 5535,1397.23 5535.51,1397.74 5574.73,1397.74 5578.57,1393.89 5673.19,1393.89 5674.29,1392.79 5792.05,1392.79 5815.15,1415.89 5815.15,1536.89 5803.6,1548.44 IC8.26@5765.97,1548.44
NetIC8_28: IC8.28 R14.2 | length 669.7
  TopLayer w5: R14.2@5399.65,1386.89 5447.15,1386.89 5451.15,1382.89 5508.34,1382.89 5512.68,1387.23 5539.15,1387.23 5539.65,1387.74 5570.59,1387.74 5575.43,1382.89 5670.05,1382.89 5670.14,1382.79 5802.05,1382.79 5830.15,1410.89 5830.15,1554.89 5797.23,1587.81 IC8.28@5765.97,1587.81
NetIC8_33: IC8.33 R13.2 | length 674.1
  TopLayer w5: R13.2@5368.65,1927.89 5746.15,1927.89 5807.15,1866.89 5807.15,1705.89 5787.49,1686.24 IC8.33@5765.97,1686.24
NetIC8_36: IC8.36 R11.2 | length 536
  TopLayer w5: R11.2@5368.65,1889.89 5394.65,1915.89 5693.15,1915.89 5765.97,1843.06 IC8.36@5765.97,1745.29
NetIC9_1: IC9.1 IC9.40 R20.2 | length 427
  TopLayer w5: R20.2@5471.15,1278.39 5485.93,1278.39 v1(5503.15,1261.17) 5504.72,1259.59 IC9.1@5504.72,1231.64 ; v1@5679.9,1302.64 5689.76,1292.77 IC9.40@5689.76,1259.2
  Signal Layer 1 w5: v1(5503.15,1261.17) 5503.15,1358.86 5521.52,1377.23 5561.57,1377.23 5564.53,1374.27 5640.92,1297.89 v1(5675.15,1297.89)
NetIC9_5: IC9.5 IC9.42 R21.2 | length 446.8
  TopLayer w5: R21.2@5633.65,1326.89 5633.65,1311.88 5650.39,1295.14 IC9.42@5650.39,1259.2 5650.39,1234.65 v1(5661.15,1223.89)
  TopLayer w10: v1(5472.91,1123.87) 5477.01,1127.97 5477.01,1139.8 5486.32,1149.12 5500.94,1149.12 IC9.5@5504.72,1152.9
  Signal Layer 1 w5: v1(5472.91,1123.87) 5472.91,1194.28 5515.52,1236.89 5551.18,1236.89 5564.18,1223.89 v1(5661.15,1223.89)
NetIC9_8: IC9.8 IC9.19 R22.2 | length 292
  TopLayer w5: R22.2@5446.65,1122.89 5475.7,1093.84 IC9.8@5504.72,1093.84 5505.38,1094.5 5526.76,1094.5 v1(5540.15,1107.89) ; v1(5650.15,1022.89) 5650.15,987.79 IC9.19@5650.39,987.54
  Signal Layer 1 w5: v1(5540.15,1107.89) 5555.52,1107.89 5569.35,1094.06 5579.06,1094.06 5650.15,1022.97 v1(5650.15,1022.89)
NetIC9_12: IC9.12 IC9.21 R23.2 | length 350.7
  TopLayer w15: v1(5501.15,970.89) 5504.72,974.46 IC9.12@5504.72,1015.1 ; v1(5653.15,897.89) 5665.76,897.89 5683.17,915.3 R23.2@5687.46,915.3 5689.76,917.6 IC9.21@5689.76,987.54
  Signal Layer 1 w5: v1(5501.15,970.89) 5593.84,970.89 5608.66,956.07 5608.66,942.38 v1(5653.15,897.89)
NetIC9_20: IC9.20 IC9.22 IC9.39 IC9.41 R157.1 R171.1 | length 1099.5
  TopLayer w5: IC9.20@5670.08,987.54 5670.08,1019.82 5673.15,1022.89 5702.15,1022.89 5709.45,1015.59 IC9.22@5709.45,987.54 5709.45,957.59 5725.46,941.57 R157.1@5725.46,915.3 5741.05,930.89 v1(5780.15,930.89) ; IC9.41@5670.08,1259.2 5670.08,1239.49 5678.49,1231.07 5678.49,1228.55 v1(5707.81,1228.55) 5710.15,1230.89 5710.15,1308.38 R171.1@5706.15,1312.39
  Signal Layer 1 w5: v1(5707.81,1228.55) 5685.81,1206.55 5567.38,1206.55 5552.13,1221.8 5532.05,1221.8 5504.72,1194.46 5504.72,1172.83 5573.5,1104.06 5740.98,1104.06 5780.15,1064.89 v1(5780.15,930.89)
NetIC9_26: IC9.26 R88.2 | length 638.2
  TopLayer w5: R88.2@5451.58,984.25 5464.29,971.54 5464.29,956.89 5512.36,908.82 5512.36,897.71 5531.28,878.79 5574.25,878.79 5602.99,850.05 5774.31,850.05 5823.15,898.89 5823.15,1022.89 5811.25,1034.79 IC9.26@5776.38,1034.79
NetIC9_28: IC9.28 R51.2 TP14.1 | length 2142.3
  TopLayer w5: v1(5353.35,889.76) 5506.16,889.76 5529.04,866.89 5558.55,866.89 5631.15,794.29 TP14.1@5717.52,794.29 5794.29,794.29 5842.15,842.15 5842.15,1059.89 5827.88,1074.16 IC9.28@5776.38,1074.16
  BottomLayer w5: R51.2@4231.1,484.25 4295.28,484.25 4312.62,501.59 4393,501.59 4399.28,507.87 4440.94,507.87 4513.84,580.77 4666.36,580.77 4669.98,577.15 4730.69,577.15 4901.57,748.03 4901.57,767.72 5023.62,889.76 v1(5353.35,889.76)
NetIC9_33: IC9.33 R101.2 | length 639.5
  TopLayer w5: R101.2@5399.65,1348.89 5429.25,1348.89 5453.15,1372.79 5512.38,1372.79 5516.82,1377.23 5543.29,1377.23 5543.79,1377.74 5566.44,1377.74 5571.39,1372.79 5772.25,1372.79 5817.15,1327.89 5817.15,1183.89 5805.84,1172.58 IC9.33@5776.38,1172.58
NetIC9_36: IC9.36 R99.2 | length 521.8
  TopLayer w5: R99.2@5399.65,1310.89 5412.84,1310.89 5452.81,1350.86 5452.81,1352.07 5463.52,1362.79 5516.52,1362.79 5520.96,1367.23 5547.43,1367.23 5547.93,1367.74 5562.3,1367.74 5567.25,1362.79 5755.25,1362.79 5776.38,1341.66 IC9.36@5776.38,1231.64
NetIC27_2: IC27.2 R150.1 R153.2 | length 142.5
  TopLayer w7.87: R153.2@4721.71,1591.78 4716.71,1596.78 4716.71,1646.78 4736.91,1666.98 IC27.2@4793.8,1666.98
NetIC35_5: IC35.5 R162.1 R164.2 | length 117.5
  TopLayer w12: R164.2@4978.84,2649.89 4978.84,2599.89 5003.44,2575.28 IC35.5@5003.44,2542.57
NetIC35_9: IC35.9 L16.1 | length 75.6
  TopLayer w13: IC35.9@5062.5,2459.89 5062.5,2386.23 L16.1@5063.84,2384.89
NetJ2_1: J2.1 RT1.1 | length 1153.4
  BottomLayer w5: v1@4244.09,515.75 v1(4244.09,523.62) v1(4244.09,547.24) v1(4275.59,547.24) 4452.76,547.24 4496.28,590.77 4636.41,590.77 4663.75,618.11 4712.6,618.11 5078.74,984.25 5078.74,1003.94 5113.78,1038.98 J2.1@5150.78,1038.98
  other v1: 4275.58,523.61
NetJ2_2: J2.2 RT1.2 | length 1272.5
  BottomLayer w5: v1(4244.09,633.86) v1(4244.09,610.23) v1(4275.58,610.23) 4334.65,610.24 4350.39,594.49 4472.44,594.49 4478.72,600.77 4632.26,600.77 4673.23,641.73 4696.13,641.73 5066.52,1012.13 5067.24,1012.13 5078.74,1023.62 5078.74,1035.43 5135.83,1092.52 5198.23,1092.52 J2.2@5250.79,1039.96 ; J2.2@5250.29,1039.46 J2.2@5250.78,1038.98
  other v1: 4275.58,633.85
NetLD4_2: LD4.2 R113.2 | length 801.2
  BottomLayer w8: LD4.2@105.41,727.41 167.89,789.89 433.84,789.89 699.31,524.42 R113.2@699.31,453
NetLD4_4: LD4.4 R114.2 | length 489.8
  BottomLayer w8: LD4.4@205.41,727.41 255.72,727.41 369.84,613.3 369.84,612.67 390.68,591.84 442.37,591.84 R114.2@581.2,453
NetLD4_6: LD4.6 R115.2 | length 463.4
  BottomLayer w8: LD4.6@305.41,727.41 356.5,727.41 391.09,692.82 425.91,692.82 640.26,478.47 R115.2@640.26,453
NetLD4_8: LD4.8 R119.2 | length 972.2
  BottomLayer w8: LD4.8@405.41,727.41 370.82,762 163.84,762 140.99,739.15 140.99,612.74 174.89,578.84 389.89,578.84 440.99,527.74 440.99,396.14 431.6,386.75 R119.2@431.6,309.3
NetLD5_2: LD5.2 R120.2 | length 432.9
  BottomLayer w8: LD5.2@105.41,510.87 155.72,510.87 269.84,396.76 269.84,396.14 290.68,375.3 310.48,375.3 R120.2@431.6,254.18
NetLD5_4: LD5.4 R121.2 | length 455.6
  TopLayer w8: LD5.4@205.41,510.87 240,545.46 319.74,545.46 340,525.2 340,518.72 412.28,446.45 420.15,446.45 448.84,417.76 448.84,384.89 431.6,367.65 R121.2@431.6,283.71
NetLD5_6: LD5.6 R122.2 | length 354.6
  TopLayer w8: LD5.6@305.41,510.87 343.84,472.45 343.84,284.89 404.07,224.65 R122.2@431.6,224.65
NetLD5_8: LD5.8 R123.2 | length 399.2
  TopLayer w8: LD5.8@405.41,510.87 463.84,452.45 463.84,169.89 459.55,165.6 R123.2@431.6,165.6
P3V3: C19.2 C20.2 C21.2 C22.2 C23.2 C24.2 C69.2 C70.2 C96.2 C148.2 C149.2 IC8.2 IC8.11 IC8.15 IC8.16 IC8.24 IC8.30 IC8.37 IC8.45 IC8.46 IC9.2 IC9.11 IC9.15 IC9.16 IC9.24 IC9.30 IC9.37 IC9.45 IC9.46 IC19.3 IC19.4 IC23.10 IC23.16 IC35.8 IC35.10 L1.1 L16.2 R6.2 R18.1 R22.1 R162.2 TP10.1 | length 15101.7
  TopLayer w5: IC8.2@5494.32,1725.61 5539.89,1725.61 5561.25,1746.97 IC8.46@5561.25,1772.85 5561.25,1803.99 v1(5569.15,1811.89)
  TopLayer w8: IC23.10@795.77,180.36 828.37,180.36 843.84,164.89 873.84,164.89 903.84,194.89 ; IC23.16@795.77,333.91 868.33,333.91 C96.2@872.34,329.89 872.34,326.39 903.84,294.89 903.84,194.89 ; v1(4708.84,144.89) 4707.75,143.8 3697.5,143.8 3687.5,133.8 1741.02,133.8 1709.93,164.89 933.84,164.89 903.84,194.89 ; C149.2@4908.84,2474.89 4878.84,2504.89 4878.84,2564.89 4912.89,2598.94 R162.2@4912.89,2599.65 ; C149.2@4933.84,2464.89 4935.85,2462.88 L16.2@4935.85,2349.89 ; IC35.10@5083.84,2459.89 v1(5113.84,2459.89) 5137.3,2459.89 C148.2@5141.24,2463.83 ; v1(5569.15,1811.89) 5580.94,1800.1 IC8.45@5580.94,1772.85
  TopLayer w10: R22.1@5409.64,1122.89 5409.64,1055.36 5422.34,1042.66 5422.34,1032.31 5428.2,1026.45 5438.55,1026.45 5446.11,1018.89 v1(5470.15,1018.89) 5486.05,1034.79 IC9.11@5504.72,1034.79 ; IC8.11@5494.32,1548.44 5496.45,1546.31 5530.76,1546.31 5561.25,1515.82 IC8.15@5561.25,1501.2 5561.25,1479.79 v1(5574.15,1466.89) 5580.94,1473.68 IC8.16@5580.94,1501.2 ; IC9.2@5504.72,1211.95 5507.88,1215.11 5543.37,1215.11 5571.65,1243.39 IC9.46@5571.65,1259.2 5571.65,1290.85 5579.7,1298.89 v1(5590.15,1298.89) 5590.15,1260.39 IC9.45@5591.34,1259.2 ; IC9.15@5571.65,987.54 5571.65,958.73 5574.8,955.57 5576.61,955.57 5582.47,949.72 5582.47,948.89 v1(5591.32,948.89) C24.2@5612.83,927.37 ; 5575.15,2086.61 5740.16,2086.61 5765.75,2061.02 IC19.4@5765.75,2039.79 IC19.3@5765.75,1964.98 ; v1(5591.32,948.89) IC9.16@5591.34,987.54 ; R18.1@5643.15,1415.39 5651.24,1407.29 5708.55,1407.29 5738.42,1437.16 v1@5738.42,1468.89 ; v1(5718.15,1811.89) 5728.15,1811.89 5738.42,1801.62 IC8.37@5738.42,1772.85 ; v1(5737.15,1468.89) v1@5738.42,1468.89 ; IC8.24@5738.42,1501.2 v1@5738.42,1468.89 ; v1(5748.82,958.22) IC9.24@5748.82,987.54 ; IC9.37@5748.82,1259.2 5748.82,1293.56 v1(5749.15,1293.89) ; IC8.30@5765.97,1627.18 v1@5797.44,1627.18 ; IC9.30@5776.38,1113.53 5809.79,1113.53 v1(5810.15,1113.89)
  TopLayer w15: 4997.05,2431.11 5017.11,2431.11 5019.61,2433.61 5042.81,2433.61 IC35.8@5042.81,2459.89
  TopLayer w20: L16.2@4935.85,2349.89 4935.85,2381.9 4985.06,2431.11 4997.05,2431.11
  TopLayer w30: L1.1@4874.02,1307.09 4874.02,1338.58 4913.39,1377.95 v3(4913.39,1400.59) ; v3(4893.7,2248.03) 4900.56,2254.89 4953.84,2254.89 ; C149.2@4925.61,2464.89 4933.84,2464.89 v1(4933.84,2429.89) 4933.84,2351.9 L16.2@4935.85,2349.89 ; L16.2@4935.85,2336.9 4923.84,2324.89 4953.84,2294.89 4953.84,2254.89 ; v1(5409.45,850.39) 5416.34,843.5 TP10.1@5416.34,781.5 ; v3(5575.15,2001.89) 5575.15,2086.61 5575.15,2301.67 5566.93,2309.89 ; v1(5693.84,2309.89) 5566.93,2309.89 ; 4953.84,2254.89 5163.84,2254.89 5218.84,2309.89 5566.93,2309.89
  Signal Layer 1 w8: v1(5595.47,179.13) 5595.47,230.31 5730.5,365.35 5962.04,365.35 6023.78,427.09 6023.78,441.63 6047.5,465.35 6070.66,465.35 6105.31,500 v1(6122.05,500)
  Signal Layer 1 w30: v3(4893.7,2248.03) 4858.27,2212.6 4858.27,2078.74 4881.89,2055.12 4881.89,1673.23 4913.39,1641.73 v3(4913.39,1400.59)
  BottomLayer w8: v1(4708.84,144.89) 5562.21,144.89 v1@5595.96,178.64 ; v1(4933.84,2429.89) 4963.84,2459.89 v1(5113.84,2459.89) ; v1(5693.84,2309.89) 6099.56,2309.89 6133.86,2275.59 6133.86,1742.7 6141.73,1734.82 6141.73,580.36 6122.05,560.67 v1(6122.05,500)
  BottomLayer w10: v1(5470.15,1018.89) 5472.15,1020.89 C69.2@5532.43,1020.89 5532.43,1007.77 v1(5591.32,948.89) 5739.49,948.89 v1(5748.82,958.22) 5790.48,958.22 5810.15,977.89 v1(5810.15,1113.89) 5810.15,1280.54 5796.8,1293.89 ; v1(5569.15,1811.89) 5595.15,1811.89 ; C70.2@5574.15,1254.61 5574.15,1282.89 v1(5590.15,1298.89) 5610.99,1278.05 5683.37,1278.05 5699.21,1293.89 v1(5749.15,1293.89) 5796.8,1293.89 ; v1(5574.15,1466.89) 5569.15,1471.89 C22.2@5569.15,1509.17 5609.43,1468.89 5651.09,1468.89 5669.93,1487.73 5686.37,1487.73 5705.21,1468.89 v1(5737.15,1468.89) ; v3(5575.15,2001.89) 5594.09,1982.95 5594.09,1812.95 5595.15,1811.89 ; C20.2@5719.15,1526.17 5737.15,1508.17 v1(5737.15,1468.89) ; C19.2@5752.86,1626.89 5797.15,1626.89 v1(5798.15,1627.89) ; 5595.15,1811.89 v1(5718.15,1811.89) 5782.05,1811.89 5798.15,1795.8 v1(5798.15,1627.89) ; v1(5737.15,1468.89) 5788.79,1468.89 5793.53,1473.64 ; 5793.53,1473.64 5798.15,1478.25 v1(5798.15,1627.89) ; 5793.53,1473.64 5793.53,1297.16 5796.8,1293.89
  BottomLayer w20: v1(5569.15,1811.89) 5573.15,1807.89 C23.2@5573.15,1763.61 ; v1(5718.15,1811.89) 5719.15,1810.89 C21.2@5719.15,1776.61
P3V3_MP: C38.2 IC32.4 J2.14 J37.30 TP13.1 | length 1361.7
  TopLayer w20: J2.14@5250.78,438.98 5320.87,438.98 5559.06,677.17 v1(5823.99,677.17) ; v1(5827.76,334.65) 5828.55,333.85 5882.69,333.85 5943.9,272.64 6012.06,272.64 J37.30@6064.28,324.85
  BottomLayer w20: C38.2@5813.84,619.89 5797.11,603.16 5797.11,565.57 5774.52,565.57 5758.84,549.89 5758.84,403.56 v1(5827.76,334.65) ; C38.2@5815.79,624.38 5815.79,638.4 5823.99,646.6 v1(5823.99,677.17)
P12V0: C10.1 C129.2 J2.10 J2.11 J37.28 J37.29 L8.2 | length 3815.2
  TopLayer w39.37: L8.2@5086.12,2776.82 5196.91,2776.82 C129.2@5198.84,2774.89 ; C129.2@5190.45,2772.88 v3@5273.84,2772.88 ; J37.29@5968.5,330.71 5995.1,357.3 5995.1,376.22 6048.77,429.89 J37.28@6073.84,429.89
  BottomLayer w39.37: v3@5273.84,2774.89 5308.84,2809.89 6178.84,2809.89 6231.16,2757.57 6231.16,479.89 6176.12,424.85 J37.28@6064.28,424.85
  other v3: 5268.15,2775.89 5307.09,2791.34 5267.72,2818.9